# Allegro board P2597_B04_Allegro_layout.brd (continued)
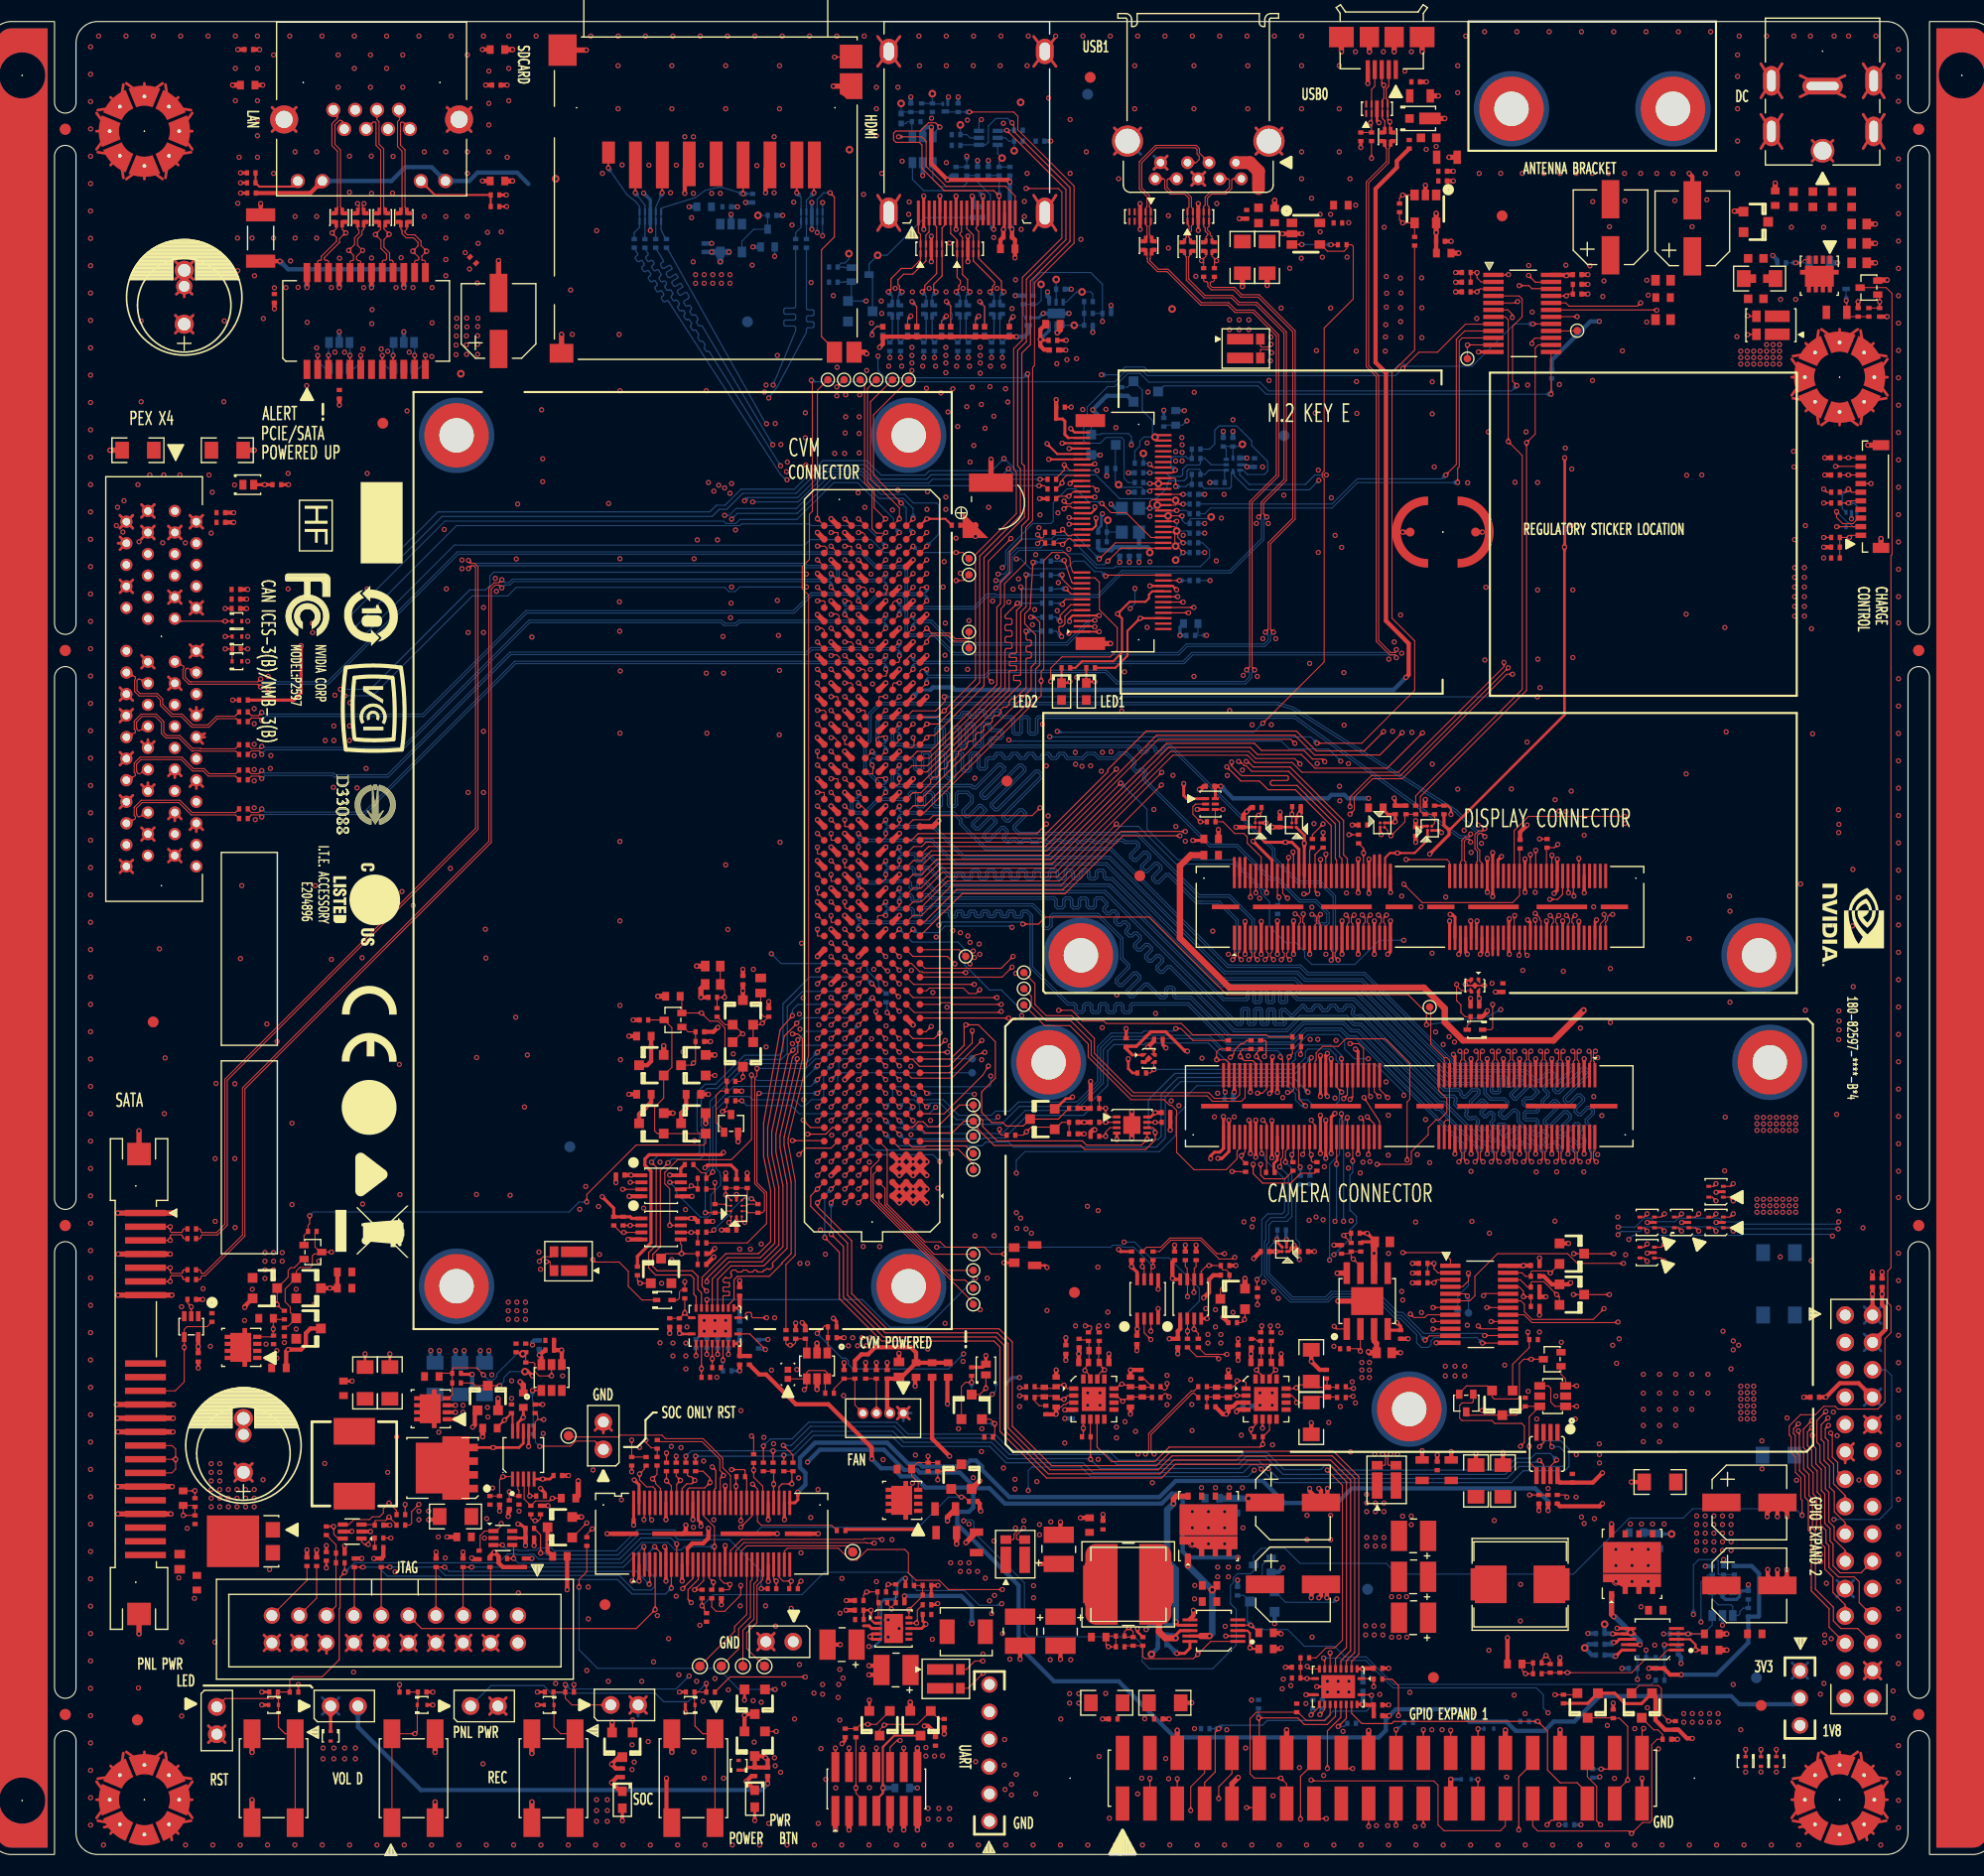
[diagram p0: board, top side]
## Routing (per net, layer and track width the routed paths; a pad name or vN(x,y) marks a point on that pad's centre or on a via; arc(x,y) is an arc through that point) (continued)
VDD_1V2: length 3.2
  TOP w0.25: J23.77 139.6,83.5 ; J23.79 140.1,83.51
  vias: v1(139.55,80.88)
VDD_1V8: length 208.3
  TOP w0.2: v1(107.55,74.94) 107.79,74.94 108.13,74.6 U13.4
  TOP w0.22: v1(138.35,79.48) 138.28,79.55 U27.4
  TOP w0.25: R128.1 87.93,23.18 v1(88.05,23.29) ; C124.1 U20.A2 ; v1(146.29,129.68) 146.29,121.4 v1(146.27,121.38) 146.27,105.8 135.55,95.08 ; U11.8 107.85,68.48 v1(108.25,68.88) ; U19.A2 v1(119.45,55.98) ; J23.71 138.1,86.63 v1(138.15,86.68) ; J23.69 137.6,86.63 v1(137.55,86.68) ; C30.1 v1(31.25,28.68) ; U7.2 v1(69.65,50.73)
  TOP w0.28: 66.05,30.78 65.8,31.03 J10.26 ; U3.5 C44.1 ; J10.21 64.8,28.33 64.8,28.33 64.8,28.43 ; v1(110.9,99.43) 110.9,98.33 111.2,98.03 U15.1 ; J10.2 59.8,31.13 ; U22.2 v1(127.55,17.23)
  TOP w0.3: 106.57,53.41 106.57,54.05 v1(106.05,54.58) ; v1(63.15,63.08) 63.18,63.05 U5.8 64.17,63.68 R74.2 ; R121.1 v1(82.35,45.68) ; v1(49.05,30.68) 49.25,30.68 R52.2 ; U2.5 33.45,29.98 v1(33.62,30.01) ; R257.1 148.43,14.03 Q27.1 150.93,14.97 151.9,14.01 153.43,14.01 Q28.1 ; v1(50.4,44.43) 49.95,44.88 R302.1 ; v1(133.75,92.88) 135.55,94.68 135.55,95.08 135.07,95.55 R238.1 ; R115.1 v1(79.35,47.98) ; U6.8 v1(65.15,59.05)
  TOP w0.4: 110.57,49.75 110.57,48.8 110.35,48.58 C104.2 v1(109.55,47.88) ; v1(146.85,53.08) 146.7,52.93 Q26.1 145.1,52.93 144.35,53.68 R246.1 ; C136.1 127.6,17.28 v1(127.55,17.23) ; Q25.1 v1(146.65,56.73) ; C10.1 v1(19.35,47.16) U1.5 ; R36.1 v1(41.45,28.08) ; C117.1 v1(119.45,55.98) ; 59.8,31.13 v1(59.8,30.58) ; R148.1 v1(101.65,69.28) R156.1 ; R234.1 v1(132.15,53.08) ; v1(112.75,51.68) 113.25,52.18 113.25,53.38 113.65,53.78 R188.2 ; R149.1 v1(101.65,67.98) R157.1 ; U28.24 142.42,54.66 v1(142.45,54.68) C159.1 ; C100.1 108.15,75.54 v1(107.55,74.94) ; R75.1 v1(66.75,70.58) ; R52.2 C44.1 v1(49.75,28.68) ; R190.1 v1(114.55,49.88) ; R39.1 v1(43.95,28.08) ; R266.1 v1(170.45,129.68) ; R233.1 v1(132.15,53.98) ; v1(144.55,51.78) R248.1 R247.1 ; R158.1 102.25,67.08 102.48,67.31 102.62,67.31 v1(102.65,67.28) ; R314.1 v1(19.77,51.53) ; v1(139.1,78.33) 139.1,78.23 138.65,77.78 R242.1 ; Q28.1 154.72,14.65 154.72,12.48 155.62,11.58 R263.1 156.85,11.58 157.66,10.78 v1(158.15,10.78) ; R19.1 v1(32.95,28.68) ; C155.1 v1(138.35,79.48) ; C55.1 v1(69.65,50.73) ; C102.1 v1(108.25,68.88) ; C96.2 v1(106.05,54.58) ; C51.1 65.47,59.05 v1(65.15,59.05) ; R271.1 v1(170.35,121.38) ; C43.1 47.65,26.68 47.25,27.08 R48.1 47.25,27.68 v1(46.85,28.08) 46.45,27.68 R43.1 ; 64.8,28.43 65.25,28.88 66.25,28.88 66.75,29.38 v1(66.75,30.28) ; R70.1 v1(63.15,48.38) ; v1(119.15,95.38) C124.1 ; 66.05,30.78 v1(66.05,30.48)
  TOP w0.5: J14.14 v1(86.16,9.88)
  L3 w0.254: J24.3 168.88,11.25 ; J24.3 168.88,12.71 ; J24.3 167.42,11.25 ; J24.3 167.42,12.71
  L3 w0.3: v1(107.55,74.94) 106.61,74.94 106.55,74.88
  L3 w0.6: v1(105.85,119.98) 105.85,118.68
  L4 w0.25: v1(170.35,121.38) v1(146.27,121.38) ; v1(146.29,129.68) v1(170.45,129.68)
  L4 w0.254: 48.32,21.45 J7.1 ; J7.1 49.78,22.91 ; J7.1 49.78,21.45 ; J7.1 48.32,22.91 ; J7.2 49.78,18.91 ; J7.2 48.32,20.37 ; J7.2 48.32,18.91 ; J7.2 49.78,20.37
  BOTTOM w0.25: v1(116.77,128.83) 116.57,129.03 U501.2
  BOTTOM w0.28: R570.1 v1(89.95,163.18)
  BOTTOM w0.4: Q504.1 v1(103.15,129.93) ; C506.1 v1(116.77,128.83) ; Q39.1 105.68,135.43 R320.1 103.75,135.43 v1(102.45,134.13) 103.15,133.43 R546.1 ; R517.1 v1(127.55,17.23) ; R541.2 v1(105.85,119.98) ; R592.1 v1(69.65,50.73)
  vias: v1(63.45,47.48) v1(63.45,46.28) v1(64.65,47.48) v1(64.65,46.28) v1(64.65,45.08) v1(65.35,30.38) v1(69.65,56.2) v1(70.65,56.2) v1(71.65,56.68) v1(79.75,47.23) v1(80.15,47.98) v1(80.6,47.23) v1(81,47.98) v1(81.4,47.23) v1(81.8,47.98) v1(86.95,9.93) v1(86.95,9.13) v1(87.75,9.13) v1(120.05,15.38) v1(120.15,16.28) v1(120.85,15.68) v1(127.45,45.68) v1(127.45,44.98) v1(127.45,44.28) v1(128.15,45.68) v1(128.15,44.98) v1(128.15,44.28) v1(135.2,45.33) v1(135.2,44.43) v1(136.1,45.33) v1(136.1,44.43) v1(137,45.33) v1(137,44.43)
VDD_1V8_DISCHARGE: length 2.9
  TOP w0.4: R75.2 v1(64.67,69.3) 64.21,68.84 Q12.3
VDD_1V8_IO: length 8.9
  TOP w0.4: R124.1 v1(84.95,24.01)
  BOTTOM w0.4: v1(91.22,21.43) 91.22,23.02 90.23,24.01 v1(84.95,24.01)
VDD_1V8_IO_FILTER_N: length 4.1
  TOP w0.101: U10.14 103.04,44.31 103.04,44.6 103.42,44.98 v1(103.55,44.98) 103.25,45.28 103.25,45.31 103.25,45.48 C91.2 103,45.73 C89.2 103,47.63 R160.1
VDD_1V8_IO_FILTER_P: length 4.9
  TOP w0.101: U10.15 102.06,44.31 102.06,44.6 v1(101.71,44.95) 101.71,45.17 102.05,45.51 C87.1 102.1,45.73 C89.1 102.1,47.63 R153.1 101.95,47.77 101.28,47.77 R151.1
VDD_1V8_IO_N: length 43.5
  TOP w0.101: R160.2 102.77,48.76 102.77,48.83 v1(103.02,49.08) ; v1(92.28,16.84) 90.87,15.43 R133.3
  L3 w0.101: v1(92.28,16.84) 92.28,17.24 92.44,17.41 93.28,17.41 96.11,20.24 96.11,27.98 94.86,29.23 94.86,32.26 96.03,33.43 96.03,34.6 97.45,36.03 97.45,40.6 98.13,41.28 98.13,46.36 99.09,47.31 102.01,47.31 102.6,47.9 102.6,48.66 v1(103.02,49.08)
VDD_1V8_IO_P: length 43.6
  TOP w0.101: v1(92.25,17.96) 91.5,17.96 90.72,17.18 R133.2 ; R153.2 102.34,48.77 102.34,48.99 102.25,49.08 v1(101.75,49.08)
  L3 w0.101: v1(92.25,17.96) 92.55,17.66 93.17,17.66 95.86,20.35 95.86,27.88 94.61,29.12 94.61,32.37 95.77,33.53 95.77,34.7 97.2,36.13 97.2,40.71 97.88,41.38 97.88,46.46 98.98,47.56 101.91,47.56 102.35,48 102.35,49.23 102.27,49.3 101.97,49.3 v1(101.75,49.08)
VDD_1V8_SENSE: length 6.2
  TOP w0.1: C204.1 R303.1 R302.2 50.5,45.68 50.62,45.55 50.62,44.83 51.02,44.43 v1(52.18,44.43) U32.5
VDD_3V3_DISCHARGE: length 3.2
  TOP w0.4: Q9.3 60.31,68.74 v1(60.85,69.28) 61.43,69.86 61.43,70.58
VDD_3V3_IO_SLP_FILTER_N: length 3.9
  TOP w0.101: R171.1 107.9,42.48 C99.2 106,42.48 C95.2 105.8,42.28 105.45,42.28 v1(105.24,42.07) 104.87,42.44 104.58,42.44 104.42,42.6
VDD_3V3_IO_SLP_FILTER_P: length 5.2
  TOP w0.101: U10.12 104.62,43.25 105.05,43.68 v1(105.15,43.68) 105.25,43.68 105.35,43.58 105.8,43.58 C94.2 106,43.38 C99.1 107.9,43.38 R170.1 107.19,44.19 R163.1
VDD_3V3_IO_SLP_N: length 67.8
  TOP w0.101: v1(51.04,55.06) 51.04,55.13 51.4,55.49 52.16,55.49 52.4,55.74 R58.3 ; v1(109.55,42.48) 109.55,42.5 109.27,42.78 109.1,42.78 R171.2
  L4 w0.101: v1(109.55,42.48) 109.2,42.83 107.53,42.83 106.13,44.23 105.38,44.23 103.99,45.62 101.33,45.62 100,44.29 97.85,44.29 94.1,48.03 88.3,48.03 86.46,49.87 84.29,49.87 80.38,53.78 74.94,53.78 74.39,54.33 51.77,54.33 v1(51.04,55.06)
VDD_3V3_IO_SLP_P: length 67.8
  TOP w0.101: R58.2 52.05,54.55 52.05,54.99 52,55.04 v1(51.68,55.04) ; R170.2 109.06,43.12 109.19,43.12 109.35,43.28 v1(109.35,43.73)
  L4 w0.101: v1(51.68,55.04) 52.14,54.58 74.5,54.58 75.05,54.03 80.49,54.03 84.4,50.12 86.57,50.12 88.4,48.29 94.21,48.29 97.95,44.54 99.9,44.54 101.23,45.87 104.1,45.87 105.49,44.48 106.24,44.48 107.64,43.08 109.68,43.08 109.9,43.3 109.9,43.53 109.7,43.73 v1(109.35,43.73)
VDD_3V3_SLP: length 90.6
  TOP w0.25: C114.1 U17.A2
  TOP w0.254: 18.58,115.14 19.18,115.74 ; 19.18,115.74 19.77,116.34 ; 19.18,115.74 19.77,115.14 ; 19.18,115.74 18.58,116.34 ; 12.67,117.74 13.27,117.14 ; 12.67,117.74 12.08,117.14 ; 12.67,117.74 12.08,118.34 ; 12.67,117.74 13.27,118.34 ; 16.58,117.34 17.18,116.74 ; 17.18,116.74 17.77,116.14 ; 17.18,116.74 17.77,117.34 ; 17.18,116.74 16.58,116.14
  TOP w0.28: v1(116.95,68.18) 117.1,68.03 J22.110 117.1,65.09 v1(117.09,65.08) ; v1(117.34,94.08) 119.1,92.32 J23.16 ; v1(117.59,64.74) 117.6,64.75 J22.108 117.6,68.17 v1(117.59,68.18) ; v1(123.6,68.63) 123.6,68.63 J22.84 123.6,65.08 v1(123.6,65.08)
  TOP w0.4: R57.1 v1(53.62,24.58) ; C26.1 29.76,154.26 J5.10 ; Q5.1 45.05,40.99 45.05,39.88 v1(44.85,39.68) ; v1(115.75,95.38) C114.1
  TOP w0.5: U23.3 128.59,47.67 128.81,47.45 128.81,46.69 C139.1 128.15,46.58 v1(128.05,46.68)
  L3 w0.4: v1(102.45,141.33) 102.1,141.68 102.1,142.78 100.85,144.03 97.6,144.03 96.9,144.73 v1(95.25,144.73) 95.25,145.32 94.58,145.99 81.14,145.99 80.08,144.93 78.55,144.93 v1(78.35,144.73)
  BOTTOM w0.4: R558.1 v1(95.25,144.73) ; J5.10 37.3,155.38 38.58,156.66 41.03,156.66 J5.12 44.52,155.38 45.3,156.16 48.98,156.16 50.02,155.11 ; R549.1 v1(102.45,141.33)
  vias: v1(25.55,55.88) v1(25.55,55.08) v1(25.55,54.28) v1(25.55,53.48) v1(26.35,55.88) v1(26.35,55.08) v1(26.35,54.28) v1(26.35,53.48) v1(27.15,55.88) v1(27.15,55.08) v1(43.3,140.14) v1(43.3,139.26) v1(43.36,142.63) v1(43.36,141.84) v1(43.33,140.99) v1(44.29,142.65) v1(44.26,140.99) v1(44.26,140.16) v1(44.27,139.28) v1(44.31,141.83) v1(45.3,141.01) v1(45.3,139.28) v1(45.33,142.63) v1(45.31,141.86) v1(45.31,140.22) v2(43.75,137.48) v2(52.55,155.58) v2(79.85,158.28) v2(95.75,162.68)
VDD_3V3_SLP_DISCHARGE: length 3
  TOP w0.4: Q6.3 51.81,29.12 v1(51.95,28.98) 51.81,28.84 51.81,28.15 52.27,27.68
VDD_3V3_SYS: length 127.9
  TOP w0.25: U24.A2 130.45,95.78 ; U8.A2 v1(69.35,58.68)
  TOP w0.28: v1(135.65,87.28) 135.85,87.28 136.1,87.03 J23.63 ; J23.61 v1(135.6,86.68) ; R221.1 129.43,97 129.85,96.58 C140.1 v1(130.55,95.88) 130.45,95.78
  TOP w0.3: R96.1 69.35,63.5 68.84,64 66.67,64 v1(66.42,63.75) ; 85.89,30.18 79.57,30.18 R305.2 ; R7.1 28.24,107.18 28.9,107.84 v1(28.9,112.24) ; U5.1 59.58,63.05 v1(59.55,63.08) ; 106.57,49.75 v1(106.57,48.78) ; v1(56.88,61.07) 57.95,60 R324.1 R325.1 59.48,59.2 59.62,59.05 U6.1 ; R261.1 v1(150.8,14.05) ; D14.1 J4.1 ; R83.2 66.85,55.78 v1(67.33,56.26) ; 110.57,53.41 109.92,53.41 v1(109.85,53.48) ; R144.1 v1(97.5,125.88) ; CR2.2 v1(71.05,3.15) ; CR1.2 v1(58.75,3.13)
  TOP w0.4: v1(99.85,41.28) 99.88,41.3 U10.4 ; C48.1 v1(59.55,63.08) ; R241.1 v1(136.15,145.08) ; R240.1 v1(136.15,145.98) ; v1(149.8,32.58) 149.55,32.33 145.85,32.33 R255.1 ; v1(106.57,48.78) 106.57,48.2 C98.1 ; R259.1 v1(148.45,145.78) ; v1(115.8,41.1) 115.8,41.13 115.97,41.3 U18.4 ; v1(109.85,53.48) 109.85,54.98 C103.1 ; C54.1 v1(69.35,58.68) ; U29.24 146.38,146.66 v1(146.45,146.58) 146.55,146.68 C162.1 ; R65.1 v1(59.35,70.58) ; R262.1 156.77,10.7 v1(156.78,10.7) ; R267.1 v1(170.45,128.08) ; v1(149.8,35.43) 148.9,34.53 C160.1 145.86,34.53 145.62,34.76 U30.8
  L3 w0.254: 167.42,17.79 J24.1 ; J24.1 168.88,17.79 ; J24.1 167.42,16.33 ; J24.1 168.88,16.33 ; 12.08,115.14 12.67,115.74 ; 12.67,115.74 13.27,116.34 ; 12.67,115.74 12.08,116.34 ; 12.67,115.74 13.27,115.14 ; 30.87,13 J4.1 ; J4.1 32.43,13 ; J4.1 32.43,14.56 ; J4.1 30.87,14.56
  L3 w0.3: 101.85,126.58 101.79,126.64 98.26,126.64 v1(97.5,125.88)
  L4 w0.28: v1(170.45,128.08) v1(159.03,128.08)
  L4 w0.4: v1(130.55,95.88) 131.25,95.18 131.25,93.88 132.25,92.88 132.25,90.68 v1(135.65,87.28) 135.6,87.23 v1(135.6,86.68)
  BOTTOM w0.25: v1(115.8,41.1) 116.32,41.63 C505.1
  BOTTOM w0.254: J4.1 32.43,13 ; J4.1 32.43,14.56 ; J4.1 30.87,13 ; J4.1 30.87,14.56 ; 167.42,17.79 J24.1 ; J24.1 168.88,17.79 ; J24.1 167.42,16.33 ; J24.1 168.88,16.33
  BOTTOM w0.3: R524.1 v1(113.32,127.38) ; R513.1 v1(151.61,17.28)
  BOTTOM w0.4: v1(99.85,41.28) C516.1 ; R525.1 v1(112.85,126.28) ; R591.2 v1(73.65,152.18) ; R542.2 v1(104.95,119.98) ; R538.1 v1(105.75,128.28) ; C535.1 67.05,148.78 v1(67.05,148.79) ; R516.1 145.09,138.74 148.69,142.34 v1(149.51,142.34) ; R543.1 v1(103.75,127.98) ; R534.1 v1(114.57,132.13)
  BOTTOM w0.6: U503.5 v1(67.85,147.88) ; U503.5 v1(67.05,148.79) ; U503.5 v1(68.64,148.79)
  vias: v1(56.35,5.08) v1(56.35,4.08) v1(56.35,3.08) v1(57.35,5.08) v1(57.35,4.08) v1(57.35,3.08) v1(87.15,4.28) v1(87.15,3.28) v1(88.15,4.28) v1(88.15,3.28) v1(89.15,4.28) v1(89.15,3.28) v1(89.25,27.08) v1(90.15,27.08) v1(90.15,26.28) v1(90.95,27.08) v1(90.95,26.28) v1(91.75,26.28) v1(100.3,14.93) v1(100.3,14.05) v1(101.15,14.93) v1(101.15,14.05) v1(104.65,39.68) v1(104.65,38.68) v1(105.45,40.18) v1(115.15,142.48) v1(115.15,141.58) v1(116.05,142.48) v1(116.05,141.58) v1(116.95,142.48) v1(116.95,141.58) v1(129.67,142.03) v1(129.64,140.9) v1(129.72,146.5) v1(129.75,144.95) v1(129.72,143.67) v1(131.03,146.36) v1(131.08,144.98) v1(131.05,143.6) v1(131.05,142.32) v1(131.06,140.85) v1(146.4,147.56) v1(148.64,147.5) v1(149.83,144.65) v1(149.94,146.1) v1(153.6,44.58) v1(153.6,42.83) v1(153.6,41.33) v1(153.6,39.83) v1(153.6,38.33) v1(155.1,44.58) v1(155.1,42.83) v1(155.1,41.33) v1(155.1,39.83) v1(155.1,38.33) v1(156.6,44.58) v1(156.6,42.83) v1(156.6,41.33) v1(156.6,39.83) v1(157.35,13.08) v1(157.36,12.28) v1(158.1,44.58) v1(158.1,42.83) v1(158.1,41.33) v1(158.15,13.08) v1(158.15,12.28) v1(158.95,13.08) v1(158.95,12.28) v1(159.6,44.58) v1(159.6,42.83) v1(159.75,13.08) v1(159.75,12.28) v1(160.55,13.08) v1(160.55,12.28)
VDD_3V3_SYS_FILTER_N: length 4.6
  TOP w0.101: U18.1 116.68,43.8 116.51,43.98 v1(115.85,43.98) 115.85,43.78 115.5,43.43 C111.1 115,43.38 C110.2 113.1,43.38 R179.1
VDD_3V3_SYS_FILTER_P: length 4.6
  TOP w0.101: R185.1 R180.1 113.1,42.48 C110.1 115,42.48 C112.2 115.22,42.6 v1(115.85,42.6) 116.68,42.6
VDD_3V3_SYS_M2: length 4.6
  BOTTOM w0.1: C512.1 109.17,132.71 110.79,132.71 v1(111.2,133.11) ; 111.96,113.19 v1(113.02,113.19) ; 111.96,113.19 112.22,113.45 C509.1 ; 111.96,113.19 C510.1
VDD_3V3_SYS_N: length 26.9
  TOP w0.101: R138.2 95.04,29.23 95.14,29.33 95.14,29.74 95.37,29.97 95.37,30.21 v1(95.27,30.31) ; v1(107.35,37.18) 107.64,37.47 107.64,39.07 111.18,42.61 111.18,42.61 111.61,43.04 111.86,43.04 R179.2
  L3 w0.101: v1(107.35,37.18) 107.35,36.93 107.5,36.78 107.5,35.88 106.29,34.67 98.6,34.67 95.39,31.47 95.39,30.43 v1(95.27,30.31)
VDD_3V3_SYS_P: length 26.8
  TOP w0.101: R138.3 95.46,29.23 95.36,29.33 95.36,29.64 v1(96.03,30.31) ; v1(108.15,37.18) 107.86,37.47 107.86,38.98 111.27,42.39 111.27,42.39 111.7,42.82 111.86,42.82 R180.2
  L3 w0.101: v1(96.03,30.31) 95.64,30.7 95.64,31.36 98.7,34.42 106.4,34.42 107.75,35.77 107.75,36.78 v1(108.15,37.18)
VDD_3V3_SYS_PG: length 110.1
  TOP w0.1: U16.2 v1(114.8,20.28) ; Q16.1 v1(73.05,11.42)
  L3 w0.1: v1(114.8,20.28) 116.65,18.43 v1(116.65,9.88) ; v1(153.05,16.25) 153.05,15.28 155.36,12.97 156.16,12.97 156.47,12.66 156.47,11.97 155,10.49 v1(155,9.8)
  L4 w0.1: v1(73.05,11.42) 77.01,7.46 77.97,7.46 78.5,6.93 93.54,6.93 93.77,7.16 94.16,7.16 97.28,10.28 109.07,10.28 109.69,9.66 115.86,9.66 116.09,9.88 v1(116.65,9.88) 116.92,9.61 154.81,9.61 v1(155,9.8)
  BOTTOM w0.1: R511.1 R513.2 v1(153.05,16.25)
VDD_3V3_SYS_PG_AND: length 2.5
  TOP w0.4: Q15.3 70.2,13.04 v1(70.1,12.93) Q16.2
VDD_3V3_SYS_PG_Q: length 5.9
  TOP w0.3: R101.2 70.35,8.08 70.1,7.83 D15.1
  TOP w0.4: R104.2 R101.2 Q16.3 71.89,9.14 v1(72.05,8.98) 72.25,8.78 R104.2
VDD_3V3_SYS_PG_Q_PNL: length 43.4
  TOP w0.4: R104.1 v1(72.25,6.58)
  BOTTOM w0.4: v1(72.25,6.58) 71.65,5.98 40.04,5.98 34.19,11.83 J4.2
VDD_3V3_SYS_PG_QQ: length 2.2
  TOP w0.4: CR2.1 71.05,5.98 v1(70.25,6.78) 70.75,7.28 R101.1
VDD_3V3_SYS_PWR_R: length 1.8
  TOP w0.4: C85.1 v1(97.5,26.98)
VDD_5V0_DISCHARGE: length 3.6
  TOP w0.4: Q8.3 61.05,73.28 61.43,73.66 v1(61.43,74.98) 61.43,75.98
VDD_5V0_HDMI: length 5.7
  TOP w0.25: C82.1 97.67,140.58 v1(97.58,140.67)
  TOP w0.4: LB9.2 98.35,139.72 97.92,139.72 97.58,140.07 v1(97.58,140.67) 97.58,141.59 98.07,142.08
  BOTTOM w0.3: U502.6 98.4,141.49 v1(97.58,140.67)
VDD_5V0_HDMI_CON: length 29.7
  TOP w0.25: v1(94.95,150.88) 94.75,151.08 J16.18
  TOP w0.4: v1(94.75,155.28) 94.55,155.48 v1(88.95,155.48) 87.45,156.98 v1(87.45,160.38) ; v1(94.95,150.88) C73.1 95.22,149.91 C74.1 v1(95.22,148.24)
  L3 w0.4: v1(98.25,145.08) 98.25,146.78 96.8,148.24 v1(95.22,148.24)
  BOTTOM w0.4: D503.5 86.65,160.08 86.95,160.38 v1(87.45,160.38) ; R561.1 v1(94.75,155.28) 94.75,151.08 v1(94.95,150.88) ; v1(88.95,155.48) 89.35,155.88 R574.1 ; v1(98.25,145.08) 98.25,144.68 98.4,144.53 U502.1
VDD_5V0_IO_SLP: length 94.3
  TOP w0.1: J1.15 17.23,36.7 v1(17.25,36.68) ; v1(17.25,36.68) 17.25,35.78 16.89,35.42 J1.16 ; v1(17.25,36.68) 17.25,37.65 16.93,37.96 14.45,37.96
  TOP w0.4: R130.1 87.52,38.6 v1(89.15,36.98)
  L4 w0.4: v1(23.65,49.58) 23.65,44.58 28.45,39.78 43.75,39.78 44.52,39.01 45.08,39.01 45.85,39.78 54.69,39.78 55.53,38.94 58.37,38.94 59.21,39.78 74.15,39.78 77.85,36.08 88.25,36.08 v1(89.15,36.98)
VDD_5V0_IO_SLP_DISCHARGE: length 6.3
  TOP w0.4: R308.2 27.52,46.7 v1(27.7,46.88) 28.9,46.88 29.35,47.33 29.35,48.41 29.77,48.83 Q34.3
VDD_5V0_IO_SYS: length 68.2
  TOP w0.25: R125.2 v1(85.05,25.63)
  TOP w0.28: v1(115.09,68.18) 115.1,68.17 J22.118 115.1,65.27 114.46,64.63 v1(114.07,64.63) ; v1(140.42,92.66) 140.1,92.34 J23.80 ; J22.109 117.1,70.79 v1(117.09,70.78) ; v1(114.59,68.52) 114.6,68.51 J22.120 114.6,65.54 114.26,65.2 113.75,65.2 113.4,64.86 v1(113.4,64.61) ; U9.3 81.91,20.98 81.66,21.23 81.15,21.23
  TOP w0.3: R112.1 v1(74.85,49.35) ; R183.1 112.64,94.15 v1(111.74,94.15) ; U23.4 129.96,48.68 C141.1 131.05,49.03 v1(130.69,49.39) ; v1(43.25,40.41) Q3.1 ; v1(44.8,44.58) 43.85,44.58 R37.1 ; 42.44,41.05 v1(43.25,41.05) ; Q3.3 v1(43.25,41.7)
  TOP w0.4: R64.1 v1(59.35,75.98) ; v1(88.95,41.83) 88.95,44.24 R134.1 ; U32.6 51.23,46.16 v1(51.02,46.35) R301.1 ; v1(157.12,16.7) 156.09,16.7 155.5,17.28 v1(154.1,17.28) ; v1(134.35,150.58) 134.35,150.58 C150.1 134.35,148.71 C152.1 ; R132.1 v1(88.65,11.18) ; LB9.1 v1(99.95,139.68) ; F2.2 v1(111.65,14.08)
  TOP w0.5: v1(134.35,152.38) U25.5 v1(134.35,150.58) ; v1(85.5,14.14) Q20.2
  L4 w0.3: v1(113.4,64.61) 114.05,64.61 v1(114.07,64.63) ; v1(114.59,68.52) 114.75,68.52 v1(115.09,68.18) ; v1(74.85,49.35) 74.85,48.08
  BOTTOM w0.25: v1(85.05,25.63) 84.77,25.63 84.26,25.13 84.26,23.98 83.96,23.68 83.09,23.68 82.78,23.37 82.78,19.94 82.15,19.3 v1(81.65,19.3)
  BOTTOM w0.4: v1(44.8,44.58) 44.8,43.33 ; C202.1 v1(51.02,46.35) ; R504.1 163.65,26.78 164.35,26.08 164.35,22.13 164.3,22.08 R503.1 163.35,19.66 160.39,16.7 v1(157.12,16.7) ; R509.1 v1(154.1,17.28)
  vias: v1(25.65,47.38) v1(25.65,46.08) v1(26.65,46.78) v1(26.65,46.08) v1(43.95,41.7) v1(43.95,41.05) v1(43.95,40.41) v1(123.57,152.28) v1(123.57,150.66) v1(124.55,152.28) v1(127.9,33.43) v1(127.9,32.63) v1(127.9,31.83) v1(127.9,29.43) v1(127.9,28.63) v1(127.8,21.23) v1(127.8,20.38) v1(128.6,21.23) v1(128.6,20.38) v1(128.7,32.63) v1(128.7,31.83) v1(128.7,29.43) v1(128.7,28.63) v1(129.4,21.23) v1(129.4,20.38) v1(129.5,32.63) v1(129.5,31.83) v1(129.5,29.43) v1(129.5,28.63) v1(162.65,43.48) v1(162.65,42.88) v1(162.65,42.28) v1(162.65,41.64) v1(162.65,41.04) v1(162.65,40.44) v1(163.25,43.48) v1(163.25,42.88) v1(163.25,42.28) v1(163.25,41.64) v1(163.25,41.04) v1(163.25,40.44) v1(163.85,43.48) v1(163.85,42.88) v1(163.85,42.28) v1(163.85,41.64) v1(163.85,41.04) v1(163.85,40.44) v1(167.66,119.48) v1(167.66,118.58) v1(167.66,117.68) v1(167.66,116.78) v1(167.66,115.88) v1(167.66,114.98) v1(168.56,119.48) v1(168.56,118.58) v1(168.56,117.68) v1(168.56,116.78) v1(168.56,115.88) v1(168.56,114.98) v2(109.82,143.49)
VDD_5V0_IO_SYS_PG: length 4.4
  TOP w0.1: U31.2 v1(155.55,19.48)
  BOTTOM w0.1: R510.1 R509.2 R508.1 v1(155.55,19.48)
VDD_5V0_IO_SYS_R: length 2.5
  TOP w0.4: v1(140.97,20.13) R243.1
VDD_5V_CT: length 3
  TOP w0.4: C203.1 R301.2 v1(53.1,46.83) 53.12,46.8 U32.4
VDD_5V_IO_SYS_F_N: length 4
  TOP w0.101: R201.1 119,47.63 C118.2 119,45.73 C123.1 119.25,45.48 119.25,45.18 v1(119.45,44.98) 119.42,44.98 118.88,44.43 U18.14
VDD_5V_IO_SYS_F_P: length 4.9
  TOP w0.101: R195.1 117.52,47.87 117.71,47.68 R199.1 118.1,47.63 C118.1 118.1,45.73 C116.2 117.85,45.48 117.85,45.18 v1(117.65,44.98) 118,44.63 118.03,44.63 118.06,44.6 118.06,44.57 118.22,44.41 U18.15
VDD_5V_IO_SYS_N: length 22.3
  TOP w0.101: R225.2 129.54,36.13 129.64,36.23 129.64,37.09 129.54,37.19 v1(129.37,37.19) ; R201.2 118.95,48.58 v1(118.95,49.08)
  L3 w0.101: v1(129.37,37.19) 129.62,37.44 129.62,37.85 129.62,37.85 129.62,37.95 129.4,38.18 128.85,38.18 v1(125.45,41.58) 125.45,41.85 125.49,41.89 125.49,45.43 121.23,49.69 118.86,49.69 118.72,49.55 118.72,49.18 118.82,49.08 v1(118.95,49.08)
VDD_5V_IO_SYS_P: length 23.1
  TOP w0.101: v1(118.15,49.08) 118.15,48.58 R199.2 ; R225.3 129.96,36.13 129.86,36.23 129.86,37.09 129.96,37.19 v1(130.13,37.19)
  L3 w0.101: v1(118.15,49.08) 118.34,49.08 118.47,49.21 118.47,49.66 118.75,49.94 121.33,49.94 125.74,45.54 125.74,41.99 125.84,41.9 125.84,41.55 128.96,38.43 129.29,38.43 129.3,38.43 129.5,38.43 129.88,38.06 129.88,37.74 129.88,37.74 129.88,37.44 v1(130.13,37.19)
VDD_5V_RST_L: length 4.1
  TOP w0.1: U32.1 v1(50.4,43.08)
  BOTTOM w0.1: v1(50.4,43.08) 50.4,42.12 50.48,42.05 R304.1
VDD_12V_SLP: length 54
  TOP w0.254: 14.08,122.14 14.67,122.74 ; 14.67,122.74 15.27,122.14 ; 14.67,122.74 15.27,123.34 ; 14.67,122.74 14.08,123.34 ; 22.73,36.3 C24.1 ; C24.1 24.37,34.66 ; C24.1 22.73,34.66 ; C24.1 24.37,36.3 ; 12.67,123.74 13.27,124.34 ; 12.67,123.74 13.27,123.14 ; 12.67,123.74 12.08,123.14 ; 12.67,123.74 12.08,124.34 ; 18.58,123.14 J2.A2 ; J2.A2 19.77,124.34 ; J2.A2 18.58,124.34 ; J2.A2 19.77,123.14 ; J2.A3 17.77,123.34 ; J2.A3 16.58,122.14 ; J2.A3 17.77,122.14 ; J2.A3 16.58,123.34 ; 14.08,124.14 14.67,124.74 ; 14.67,124.74 14.08,125.34 ; 14.67,124.74 15.27,125.34 ; 14.67,124.74 15.27,124.14 ; C4.1 18.87,142.9 ; C4.1 18.87,141.26 ; C4.1 17.23,142.9 ; C4.1 17.23,141.26
  TOP w0.3: R349.1 v1(27.75,127.18)
  TOP w0.4: v1(85.95,43.48) 85.95,44.22 R126.1
  BOTTOM w0.254: 22.73,36.3 C24.1 ; C24.1 22.73,34.66 ; C24.1 24.37,36.3 ; C24.1 24.37,34.66 ; 18.58,123.14 J2.A2 ; J2.A2 19.77,124.34 ; J2.A2 19.77,123.14 ; J2.A2 18.58,124.34 ; 14.67,122.74 15.27,123.34 ; 14.67,122.74 14.08,123.34 ; 14.67,122.74 15.27,122.14 ; 14.67,122.74 14.08,122.14 ; 12.67,123.74 13.27,124.34 ; 12.67,123.74 12.08,124.34 ; 12.67,123.74 12.08,123.14 ; 12.67,123.74 13.27,123.14 ; 16.58,122.14 J2.A3 ; J2.A3 17.77,123.34 ; J2.A3 16.58,123.34 ; J2.A3 17.77,122.14 ; C4.1 18.87,141.26 ; C4.1 18.87,142.9 ; C4.1 17.23,142.9 ; C4.1 17.23,141.26 ; 14.67,124.74 15.27,125.34 ; 14.67,124.74 15.27,124.14 ; 14.67,124.74 14.08,125.34 ; 14.67,124.74 14.08,124.14
  vias: v1(11.75,123.38) v1(11.85,125.08) v1(12.35,122.78) v1(12.45,125.68) v1(13.75,127.18) v1(13.85,121.88) v1(14.85,128.08) v1(16.05,121.78) v1(16.15,128.08) v1(17.65,128.08) v1(18.15,121.78) v1(20.35,128.08) v1(20.55,122.68) v1(20.55,36.28) v1(20.55,35.48) v1(20.55,34.68) v1(20.55,33.88) v1(20.55,33.08) v1(20.55,32.28) v1(20.65,126.48) v1(21.35,36.28) v1(21.35,35.48) v1(21.35,34.68) v1(21.35,33.88) v1(21.35,33.08) v1(21.35,32.28) v1(22.15,33.88) v1(22.15,33.08) v1(22.15,32.28) v1(22.95,33.88) v1(22.95,33.08) v1(22.95,32.28) v1(23.75,33.88) v1(23.75,33.08) v1(23.75,32.28) v1(24.55,33.88) v1(24.55,33.08) v1(24.55,32.28) v1(48.15,51.28) v1(48.15,50.48) v1(48.15,49.68) v1(48.95,51.28) v1(48.95,50.48) v1(48.95,49.68) v1(49.75,51.28) v1(49.75,50.48) v1(49.75,49.68)
VDD_12V_SLP_DISCHARGE: length 3
  TOP w0.4: R347.2 R309.2 v1(31.58,52.58) Q35.3
VDD_19V_CON: length 5.5
  TOP w0.254: 169.28,159.15 J25.1 ; J25.1 171.22,159.15 ; J25.1 171.22,157.21 ; J25.1 169.28,157.21
VDD_19V_IN: length 0.7
  BOTTOM w0.5: C501.1 v1(171.65,147.78)
  vias: v1(167.35,151.08) v1(170.35,151.08)
VDD_DIS_3V3_LCD: length 20
  TOP w0.28: C108.1 113.83,99.1 U15.6 ; J23.56 129.1,92.76 ; J23.54 128.6,92.72
  TOP w0.4: v1(114.35,99.18) C108.1
  BOTTOM w0.4: v1(114.35,99.18) 115.47,98.05 124.3,98.05 124.62,98.38 125.82,98.38 126.15,98.05 v1(128.07,98.05)
VDD_FAN: length 17.8
  TOP w0.4: 86.03,45.66 86.03,46.59 85.54,47.09 82.23,47.09 81.58,46.43 80.95,46.43 80.35,45.83 R117.1 ; 86.03,45.66 84.71,44.33 C64.1 84.3,44.18 C61.1 83.35,41.23 J15.2 ; 86.03,45.66 89.02,45.66
VDD_GPIO_TXL8: length 125.1
  TOP w0.4: R100.2 71.46,44.57 72.1,44.57 74.87,41.8 77.89,41.8 81.92,37.77 v1(81.92,36.73) ; R223.2 v1(130,12.88)
  BOTTOM w0.4: J24.2 167.58,13.95 162.51,13.95 161.76,14.7 149.55,14.7 147.19,12.34 145.28,12.34 144.42,11.48 141.73,11.48 140.88,12.33 137.45,12.33 136.3,13.48 130.6,13.48 v1(130,12.88) 129.68,12.55 129.68,11.52 129.02,10.86 110.07,10.86 104.85,16.08 98.85,16.08 95.57,19.36 95.57,24.97 89.86,30.68 89.86,31.62 90.06,31.82 90.95,31.82 91.35,32.22 91.35,33.44 90.72,34.07 86.91,34.07 85.88,35.1 84.65,35.1 83.9,35.85 82.79,35.85 v1(81.92,36.73)
VDD_GPIO_TXL81: length 3.8
  TOP w0.28: U22.19 v1(127.55,13.93)
  TOP w0.4: R223.1 C137.1 127.6,13.88 v1(127.55,13.93)
  BOTTOM w0.4: R517.2 v1(127.55,13.93)
VDD_GPIO_TXL82: length 3.9
  TOP w0.25: v1(69.65,47.43) U7.19
  TOP w0.4: R100.1 C56.1 v1(69.65,47.43)
  BOTTOM w0.4: R592.2 v1(69.65,47.43)
VDD_LCD_1V8_DIS: length 7.2
  TOP w0.2: 133.55,94.18 132.35,92.98 v1(130.75,92.98) 130.05,92.98 129.61,92.54 129.61,90.86 J23.58
  TOP w0.25: U26.A1 133.55,94.18
VDD_LCD_1V8_EN: length 51.7
  TOP w0.1: U29.14 143.84,140.16 143.55,139.87 143.55,131.88 v1(142.75,131.08) 142.75,108.08 132.88,98.22 132.88,96.84 133.15,96.58 R235.1 R236.1 134.2,95.73 U26.B2
VDD_LCD_1V8_VIN: length 7.4
  TOP w0.2: R236.2 R238.2 135.43,97.38 135.72,97.08 v1(135.72,96.55)
  TOP w0.25: C146.1 133.05,95.38 133.15,95.48 U26.A2
  TOP w0.4: v1(132.45,95.98) C146.1
  L3 w0.2: v1(135.72,96.55) 135.15,95.98 v1(132.45,95.98)
VDD_LM3481_G: length 12.6
  TOP w0.1: R37.2 42.95,45.08 43.05,45.18 45.2,45.18 v1(45.85,44.53) ; R37.2 R38.1 42.95,42.68 42.62,42.35 Q3.4 ; R37.2 42.02,44.68 C36.1
  BOTTOM w0.1: v1(45.85,44.53) 46.3,44.08 46.8,44.08 47.1,44.38 47.1,44.63 48.95,46.48 v2(49.5,46.48)
VDD_LM3481_GATED:
  vias: v1(48.47,43.98) v1(48.46,42.34) v1(49.15,31.88)
VDD_LM3481_R: length 6.8
  TOP w0.1: v1(47.35,43.52) Q5.3 45.11,43.52 44.85,43.78 R38.2